# Altium PCB Copy of Board_EP1C6T144I8N.PcbDoc (part 1 of 3) (continued)
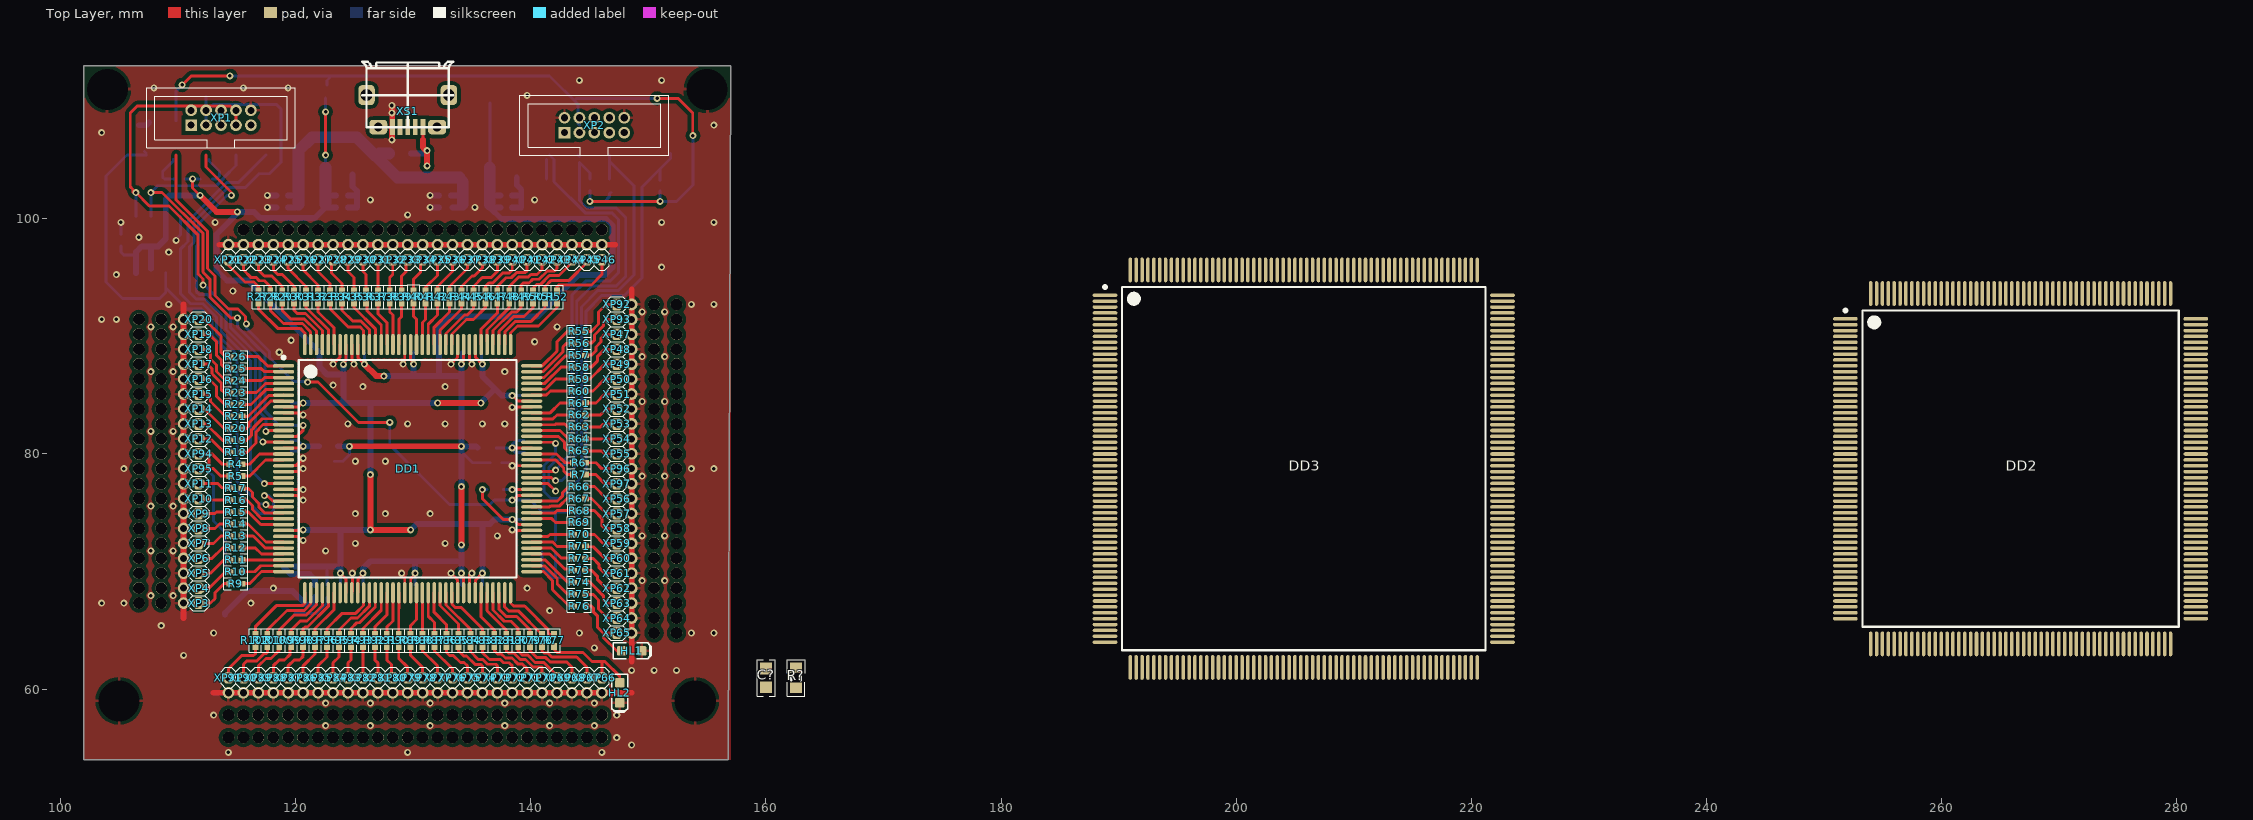
[diagram p0: Top Layer view]
## Footprints (in the part's own frame and the unit in brackets; to place one, negate y for a bottom-side part, rotate by r counter-clockwise, add the part's x,y. Pads: shape width x height; smd on the part's side, far side on the other; paste and mask are expansions set on the pad) (continued)
  oval 0.3x2.1 smd: 53(-12.75,-14.9) 54(-12.25,-14.9) 55(-11.75,-14.9) 56(-11.25,-14.9) 57(-10.75,-14.9) 58(-10.25,-14.9) 59(-9.75,-14.9) 60(-9.25,-14.9) 61(-8.75,-14.9) 62(-8.25,-14.9) 63(-7.75,-14.9) 64(-7.25,-14.9) 65(-6.75,-14.9) 66(-6.25,-14.9) 67(-5.75,-14.9) 68(-5.25,-14.9) 69(-4.75,-14.9) 70(-4.25,-14.9) 71(-3.75,-14.9) 72(-3.25,-14.9) 73(-2.75,-14.9) 74(-2.25,-14.9) 75(-1.75,-14.9) 76(-1.25,-14.9) 77(-0.75,-14.9) 78(-0.25,-14.9) 79(0.25,-14.9) 80(0.75,-14.9) 81(1.25,-14.9) 82(1.75,-14.9) 83(2.25,-14.9) 84(2.75,-14.9) 85(3.25,-14.9) 86(3.75,-14.9) 87(4.25,-14.9) 88(4.75,-14.9) 89(5.25,-14.9) 90(5.75,-14.9) 91(6.25,-14.9) 92(6.75,-14.9) 93(7.25,-14.9) 94(7.75,-14.9) 95(8.25,-14.9) 96(8.75,-14.9) 97(9.25,-14.9) 98(9.75,-14.9) 99(10.25,-14.9) 100(10.75,-14.9) 101(11.25,-14.9) 102(11.75,-14.9) 103(12.25,-14.9) 104(12.75,-14.9) 157(12.75,14.9) 158(12.25,14.9) 159(11.75,14.9) 160(11.25,14.9) 161(10.75,14.9) 162(10.25,14.9) 163(9.75,14.9) 164(9.25,14.9) 165(8.75,14.9) 166(8.25,14.9) 167(7.75,14.9) 168(7.25,14.9) 169(6.75,14.9) 170(6.25,14.9) 171(5.75,14.9) 172(5.25,14.9) 173(4.75,14.9) 174(4.25,14.9) 175(3.75,14.9) 176(3.25,14.9) 177(2.75,14.9) 178(2.25,14.9) 179(1.75,14.9) 180(1.25,14.9) 181(0.75,14.9) 182(0.25,14.9) 183(-0.25,14.9) 184(-0.75,14.9) 185(-1.25,14.9) 186(-1.75,14.9) 187(-2.25,14.9) 188(-2.75,14.9) 189(-3.25,14.9) 190(-3.75,14.9) 191(-4.25,14.9) 192(-4.75,14.9) 193(-5.25,14.9) 194(-5.75,14.9) 195(-6.25,14.9) 196(-6.75,14.9) 197(-7.25,14.9) 198(-7.75,14.9) 199(-8.25,14.9) 200(-8.75,14.9) 201(-9.25,14.9) 202(-9.75,14.9) 203(-10.25,14.9) 204(-10.75,14.9) 205(-11.25,14.9) 206(-11.75,14.9) 207(-12.25,14.9) 208(-12.75,14.9)
  silkscreen extent -15.02,-13.45 13.45,13.57, body extent -14,-14 14,14, height 4.1
RESC1608(0603)N [mm] "Chip Resistor, Body 1.6x0.8mm, IPC Medium Density"
  rect 0.9x1 smd: 1(-0.85,0) 2(0.85,0)
  silkscreen extent -1.55,-0.76 1.55,0.76, body extent -0.8,-0.4 0.8,0.4, height 0.3
"REZKemet 0402" [mm] "Chip Capacitor, Body 1.0x0.5mm, IPC High Density"
  rect 0.6x0.5 smd: 1(-0.5,0) 2(0.5,0)
  silkscreen extent -1.02,-0.51 1.02,0.51, body extent -0.5,-0.3 0.5,0.3, height 0.2
RQFP240_M [mm] "Shrink QFP, 240-Leads, Body 32x32mm, Pitch 0.5mm, IPC Low Density"
  oval 2.1x0.3 smd: 1(-16.9,14.75) 2(-16.9,14.25) 3(-16.9,13.75) 4(-16.9,13.25) 5(-16.9,12.75) 6(-16.9,12.25) 7(-16.9,11.75) 8(-16.9,11.25) 9(-16.9,10.75) 10(-16.9,10.25) 11(-16.9,9.75) 12(-16.9,9.25) 13(-16.9,8.75) 14(-16.9,8.25) 15(-16.9,7.75) 16(-16.9,7.25) 17(-16.9,6.75) 18(-16.9,6.25) 19(-16.9,5.75) 20(-16.9,5.25) 21(-16.9,4.75) 22(-16.9,4.25) 23(-16.9,3.75) 24(-16.9,3.25) 25(-16.9,2.75) 26(-16.9,2.25) 27(-16.9,1.75) 28(-16.9,1.25) 29(-16.9,0.75) 30(-16.9,0.25) 31(-16.9,-0.25) 32(-16.9,-0.75) 33(-16.9,-1.25) 34(-16.9,-1.75) 35(-16.9,-2.25) 36(-16.9,-2.75) 37(-16.9,-3.25) 38(-16.9,-3.75) 39(-16.9,-4.25) 40(-16.9,-4.75) 41(-16.9,-5.25) 42(-16.9,-5.75) 43(-16.9,-6.25) 44(-16.9,-6.75) 45(-16.9,-7.25) 46(-16.9,-7.75) 47(-16.9,-8.25) 48(-16.9,-8.75) 49(-16.9,-9.25) 50(-16.9,-9.75) 51(-16.9,-10.25) 52(-16.9,-10.75) 53(-16.9,-11.25) 54(-16.9,-11.75) 55(-16.9,-12.25) 56(-16.9,-12.75) 57(-16.9,-13.25) 58(-16.9,-13.75) 59(-16.9,-14.25) 60(-16.9,-14.75) 121(16.9,-14.75) 122(16.9,-14.25) 123(16.9,-13.75) 124(16.9,-13.25) 125(16.9,-12.75) 126(16.9,-12.25) 127(16.9,-11.75) 128(16.9,-11.25) 129(16.9,-10.75) 130(16.9,-10.25) 131(16.9,-9.75) 132(16.9,-9.25) 133(16.9,-8.75) 134(16.9,-8.25) 135(16.9,-7.75) 136(16.9,-7.25) 137(16.9,-6.75) 138(16.9,-6.25) 139(16.9,-5.75) 140(16.9,-5.25) 141(16.9,-4.75) 142(16.9,-4.25) 143(16.9,-3.75) 144(16.9,-3.25) 145(16.9,-2.75) 146(16.9,-2.25) 147(16.9,-1.75) 148(16.9,-1.25) 149(16.9,-0.75) 150(16.9,-0.25) 151(16.9,0.25) 152(16.9,0.75) 153(16.9,1.25) 154(16.9,1.75) 155(16.9,2.25) 156(16.9,2.75) 157(16.9,3.25) 158(16.9,3.75) 159(16.9,4.25) 160(16.9,4.75) 161(16.9,5.25) 162(16.9,5.75) 163(16.9,6.25) 164(16.9,6.75) 165(16.9,7.25) 166(16.9,7.75) 167(16.9,8.25) 168(16.9,8.75) 169(16.9,9.25) 170(16.9,9.75) 171(16.9,10.25) 172(16.9,10.75) 173(16.9,11.25) 174(16.9,11.75) 175(16.9,12.25) 176(16.9,12.75) 177(16.9,13.25) 178(16.9,13.75) 179(16.9,14.25) 180(16.9,14.75)
  oval 0.3x2.1 smd: 61(-14.75,-16.9) 62(-14.25,-16.9) 63(-13.75,-16.9) 64(-13.25,-16.9) 65(-12.75,-16.9) 66(-12.25,-16.9) 67(-11.75,-16.9) 68(-11.25,-16.9) 69(-10.75,-16.9) 70(-10.25,-16.9) 71(-9.75,-16.9) 72(-9.25,-16.9) 73(-8.75,-16.9) 74(-8.25,-16.9) 75(-7.75,-16.9) 76(-7.25,-16.9) 77(-6.75,-16.9) 78(-6.25,-16.9) 79(-5.75,-16.9) 80(-5.25,-16.9) 81(-4.75,-16.9) 82(-4.25,-16.9) 83(-3.75,-16.9) 84(-3.25,-16.9) 85(-2.75,-16.9) 86(-2.25,-16.9) 87(-1.75,-16.9) 88(-1.25,-16.9) 89(-0.75,-16.9) 90(-0.25,-16.9) 91(0.25,-16.9) 92(0.75,-16.9) 93(1.25,-16.9) 94(1.75,-16.9) 95(2.25,-16.9) 96(2.75,-16.9) 97(3.25,-16.9) 98(3.75,-16.9) 99(4.25,-16.9) 100(4.75,-16.9) 101(5.25,-16.9) 102(5.75,-16.9) 103(6.25,-16.9) 104(6.75,-16.9) 105(7.25,-16.9) 106(7.75,-16.9) 107(8.25,-16.9) 108(8.75,-16.9) 109(9.25,-16.9) 110(9.75,-16.9) 111(10.25,-16.9) 112(10.75,-16.9) 113(11.25,-16.9) 114(11.75,-16.9) 115(12.25,-16.9) 116(12.75,-16.9) 117(13.25,-16.9) 118(13.75,-16.9) 119(14.25,-16.9) 120(14.75,-16.9) 181(14.75,16.9) 182(14.25,16.9) 183(13.75,16.9) 184(13.25,16.9) 185(12.75,16.9) 186(12.25,16.9) 187(11.75,16.9) 188(11.25,16.9) 189(10.75,16.9) 190(10.25,16.9) 191(9.75,16.9) 192(9.25,16.9) 193(8.75,16.9) 194(8.25,16.9) 195(7.75,16.9) 196(7.25,16.9) 197(6.75,16.9) 198(6.25,16.9) 199(5.75,16.9) 200(5.25,16.9) 201(4.75,16.9) 202(4.25,16.9) 203(3.75,16.9) 204(3.25,16.9) 205(2.75,16.9) 206(2.25,16.9) 207(1.75,16.9) 208(1.25,16.9) 209(0.75,16.9) 210(0.25,16.9) 211(-0.25,16.9) 212(-0.75,16.9) 213(-1.25,16.9) 214(-1.75,16.9) 215(-2.25,16.9) 216(-2.75,16.9) 217(-3.25,16.9) 218(-3.75,16.9) 219(-4.25,16.9) 220(-4.75,16.9) 221(-5.25,16.9) 222(-5.75,16.9) 223(-6.25,16.9) 224(-6.75,16.9) 225(-7.25,16.9) 226(-7.75,16.9) 227(-8.25,16.9) 228(-8.75,16.9) 229(-9.25,16.9) 230(-9.75,16.9) 231(-10.25,16.9) 232(-10.75,16.9) 233(-11.25,16.9) 234(-11.75,16.9) 235(-12.25,16.9) 236(-12.75,16.9) 237(-13.25,16.9) 238(-13.75,16.9) 239(-14.25,16.9) 240(-14.75,16.9)
  silkscreen extent -17.02,-15.45 15.45,15.57, body extent -16,-16 16,16, height 4.1
SG-8002JF [mm] "SOJ 4pin 7.1x5.1x1.5 mm"
  rect 1.8x2 smd: 1(0,0)
  rrect50% 1.8x2 smd: 2(5,0) 3(5,4) 4(0,4)
  silkscreen extent -1,-0.5 6,4.5, body extent -1.25,-0.5 5.75,4.5, height 1.6
SO8_N [mm] "SOIC, 8-Leads, Body 4.9x3.9mm, Pitch 1.27mm, IPC Medium Density"
  oval 2.2x0.6 smd: 1(-2.4,1.905) 2(-2.4,0.635) 3(-2.4,-0.635) 4(-2.4,-1.905) 5(2.4,-1.905) 6(2.4,-0.635) 7(2.4,0.635) 8(2.4,1.905)
  silkscreen extent -2.52,-2.5 0.9,2.88, body extent -2,-2.5 2,2.5, height 1.75
SOD80 [mm]
  rect 1.25x2 smd: 1(-1.651,0) 2(1.651,0)
  silkscreen extent -2.54,-1.27 2.54,1.27, body extent -1.84,-0.8 1.86,0.8, height 1.61
SOT223_M [mm] "SOT223, 4-Leads, Body 6.5x3.5mm, Pitch 2.3mm, Lead Span 7mm, IPC Low Density"
  rect 2.7x1 smd: 1(-2.95,2.3) 2(-2.95,0) 3(-2.95,-2.3)
  rect 2.7x3.3 smd: 4(2.95,0)
  silkscreen extent -3.07,-3.35 1.3,3.48, body extent -1.85,-3.35 1.85,3.35, height 1.7
TQFP144_N [mm] "Thin QFP, 144-Leads, Body 20x20mm, Pitch 0.5mm, IPC Medium Density"
  oval 1.8x0.3 smd: 1(-10.55,8.75) 2(-10.55,8.25) 3(-10.55,7.75) 4(-10.55,7.25) 5(-10.55,6.75) 6(-10.55,6.25) 7(-10.55,5.75) 8(-10.55,5.25) 9(-10.55,4.75) 10(-10.55,4.25) 11(-10.55,3.75) 12(-10.55,3.25) 13(-10.55,2.75) 14(-10.55,2.25) 15(-10.55,1.75) 16(-10.55,1.25) 17(-10.55,0.75) 18(-10.55,0.25) 19(-10.55,-0.25) 20(-10.55,-0.75) 21(-10.55,-1.25) 22(-10.55,-1.75) 23(-10.55,-2.25) 24(-10.55,-2.75) 25(-10.55,-3.25) 26(-10.55,-3.75) 27(-10.55,-4.25) 28(-10.55,-4.75) 29(-10.55,-5.25) 30(-10.55,-5.75) 31(-10.55,-6.25) 32(-10.55,-6.75) 33(-10.55,-7.25) 34(-10.55,-7.75) 35(-10.55,-8.25) 36(-10.55,-8.75) 73(10.55,-8.75) 74(10.55,-8.25) 75(10.55,-7.75) 76(10.55,-7.25) 77(10.55,-6.75) 78(10.55,-6.25) 79(10.55,-5.75) 80(10.55,-5.25) 81(10.55,-4.75) 82(10.55,-4.25) 83(10.55,-3.75) 84(10.55,-3.25) 85(10.55,-2.75) 86(10.55,-2.25) 87(10.55,-1.75) 88(10.55,-1.25) 89(10.55,-0.75) 90(10.55,-0.25) 91(10.55,0.25) 92(10.55,0.75) 93(10.55,1.25) 94(10.55,1.75) 95(10.55,2.25) 96(10.55,2.75) 97(10.55,3.25) 98(10.55,3.75) 99(10.55,4.25) 100(10.55,4.75) 101(10.55,5.25) 102(10.55,5.75) 103(10.55,6.25) 104(10.55,6.75) 105(10.55,7.25) 106(10.55,7.75) 107(10.55,8.25) 108(10.55,8.75)
  oval 0.3x1.8 smd: 37(-8.75,-10.55) 38(-8.25,-10.55) 39(-7.75,-10.55) 40(-7.25,-10.55) 41(-6.75,-10.55) 42(-6.25,-10.55) 43(-5.75,-10.55) 44(-5.25,-10.55) 45(-4.75,-10.55) 46(-4.25,-10.55) 47(-3.75,-10.55) 48(-3.25,-10.55) 49(-2.75,-10.55) 50(-2.25,-10.55) 51(-1.75,-10.55) 52(-1.25,-10.55) 53(-0.75,-10.55) 54(-0.25,-10.55) 55(0.25,-10.55) 56(0.75,-10.55) 57(1.25,-10.55) 58(1.75,-10.55) 59(2.25,-10.55) 60(2.75,-10.55) 61(3.25,-10.55) 62(3.75,-10.55) 63(4.25,-10.55) 64(4.75,-10.55) 65(5.25,-10.55) 66(5.75,-10.55) 67(6.25,-10.55) 68(6.75,-10.55) 69(7.25,-10.55) 70(7.75,-10.55) 71(8.25,-10.55) 72(8.75,-10.55) 109(8.75,10.55) 110(8.25,10.55) 111(7.75,10.55) 112(7.25,10.55) 113(6.75,10.55) 114(6.25,10.55) 115(5.75,10.55) 116(5.25,10.55) 117(4.75,10.55) 118(4.25,10.55) 119(3.75,10.55) 120(3.25,10.55) 121(2.75,10.55) 122(2.25,10.55) 123(1.75,10.55) 124(1.25,10.55) 125(0.75,10.55) 126(0.25,10.55) 127(-0.25,10.55) 128(-0.75,10.55) 129(-1.25,10.55) 130(-1.75,10.55) 131(-2.25,10.55) 132(-2.75,10.55) 133(-3.25,10.55) 134(-3.75,10.55) 135(-4.25,10.55) 136(-4.75,10.55) 137(-5.25,10.55) 138(-5.75,10.55) 139(-6.25,10.55) 140(-6.75,10.55) 141(-7.25,10.55) 142(-7.75,10.55) 143(-8.25,10.55) 144(-8.75,10.55)
  silkscreen extent -10.67,-9.25 9.25,9.57, body extent -10,-10 10,10, height 1.6

## Part data
C1 C2 C3 C4 C5 C6 C7 C8 C9 C10 C11 C12 C13 C14 C15 C16 C17 C18 C19 C20 C21 C22 C25 C26 C29 C30 C31: library part CAPC1005(0402)N, Digi-Key Part Number=?, HelpURL=?, Manufacturer Part Number=?, Note=?, Package=?, Part Number=CAPC1005(0402)N, Price$=?
C23 C24 C27 C28: library part CapTantA, Part Number=CapTantA
C?: library part CAPC1608(0603), "?", Digi-Key Part Number=?, HelpURL=?, Manufacturer Part Number=?, Note=?, Package=?, Part Number=CAPC1608(0603), Price$=?
DD2: Supplier Part Number 1=544-1001-ND, Code_JEDEC=MS-029-FA-1, ComponentLink1Description="Manufacturer Link", ComponentLink1URL=http://www.altera.com/products/devices/acex/acx-index.html, ComponentLink2Description=Datasheet, ComponentLink2URL=http://www.altera.com/literature/ds/acex.pdf, DatasheetVersion="ver3.4, May-2003", LatestRevisionDate=13-Apr-2006, LatestRevisionNote="IPC-7351 Footprint Added.", PackageDescription="208-Pin Plastic Quad Flat Pack (PQFP208) - Wire Bond", PackageReference=PQFP208, PackageVersion="ver15.4, Dec-2008", Part Number=EP1K100QC208-2, Published=17-Jul-2002, Publisher="Altium Limited", Supplier 1=Digi-Key
DD3: Supplier Part Number 1=544-2238-ND, Code_JEDEC=MS-029-GA, ComponentLink1Description="Manufacturer Link", ComponentLink1URL=http://www.altera.com/products/devices/flex10k/f10-index.html, ComponentLink2Description=Datasheet, ComponentLink2URL=http://www.altera.com/literature/ds/dsf10k.pdf, DatasheetVersion="ver4.2, Jan-2003", LatestRevisionDate=13-Apr-2006, LatestRevisionNote="IPC-7351 Footprint Added.", PackageDescription="240-Pin Power Quad Flat Pack (RQFP240)", PackageReference=RQFP240, PackageVersion="ver14.2, Oct-2005", Part Number=EPF10K50RC240-3, Published=24-Nov-2000, Publisher="Altium Limited", Supplier 1=Digi-Key
DS1: "IC CONFIG DEVICE 1MBIT 8SOIC", Supplier Part Number 1=544-1241-5-ND, Code_IPC=SOIC127P600-8, Code_JEDEC=MS-012-AA, ComponentLink1Description="Manufacturer Link", ComponentLink1URL=http://www.altera.com/products/devices/config/cfg-index.html, ComponentLink2Description="Configuration Handbook", ComponentLink2URL=http://www.altera.com/literature/hb/cfg/config_handbook.pdf, ComponentLink3Description="Pinout Specification", ComponentLink3URL=http://www.altera.com/literature/hb/cfg/cyc_c51014.pdf, ComponentLink4Description="Packaging Specification", ComponentLink4URL=http://www.altera.com/literature/ds/dspkg.pdf, Configures="Cyclone II, Stratix II, & Cyclone Devices", DatasheetVersion="ver2.0, Oct-2003", HelpURL=https://www.altera.com/en_US/pdfs/literature/hb/cfg/cyc_c51014.pdf, LatestRevisionDate=13-Apr-2006, LatestRevisionNote="IPC-7351 Footprint Added.", PackageDescription="8-Pin Small Outline Integrated Circuit Package (SOIC8)", PackageReference=SOIC8, PackageVersion="ver14.2, Oct-2005", Part Number=EPCS1SI8N, Price$=4.02, Published=17-Sep-2003, Publisher="Altium Limited", Supplier 1=Digi-Key
HL1: library part LED-0603-BLUE, "LED BLUE DIFFUSED 0603 SMD", Digi-Key Part Number=732-12013-1-ND, Manufacturer Part Number=150060BS55040, Package=0603, HelpURL=https://www.digikey.com/products/en?keywords=732-12013-1-ND, Note=?, Part Number=LED-0603-BLUE, Price$=?
HL2: library part LED-0603-GREEN, "LED GREEN DIFFUSED 0603 SMD", Digi-Key Part Number=732-12017-1-ND, Manufacturer Part Number=150060VS55040, Package=?, HelpURL=https://www.digikey.com/products/en?keywords=732-12017-1-ND, Note=?, Part Number=LED-0603-GREEN, Price$=?
Q1: library part SG-8002JF, Part Number=SG-8002JF
R1 R2 R3 R4 R5 R6 R7 R8 R9 R10 R11 R12 R13 R14 R15 R16 R17 R18 R19 R20 R21 R22 R23 R24 R25 R26 R27 R28 R29 R30 R31 R32 R33 R34 R35 R36 R37 R38 R39 R40 R41 R42 R43 R44 R45 R46 R47 R48 R49 R50 R51 R52 R54 R55 R56 R57 R58 R59 R60 R61 R62 R63 R64 R65 R66 R67 R68 R69 R70 R71 R72 R73 R74 R75 R76 R77 R78 R79 R80 R81 R82 R83 R84 R85 R86 R87 R88 R89 R90 R91 R92 R93 R94 R95 R96 R97 R98 R99 R100 R101 R102 R103 R104 R105 R107: library part RESC1005(0402), Digi-Key Part Number=???, HelpURL=???, Manufacturer Part Number=???, Note=???, Package=???, Part Number=RESC1005(0402), Price$=???
R53: library part RESC1005(0402), "Resistor", Digi-Key Part Number=???, HelpURL=???, Manufacturer Part Number=???, Note=???, Package=???, Part Number=RESC1005(0402), Price$=???
R?: library part RESC1608(0603), Digi-Key Part Number=???, HelpURL=???, Manufacturer Part Number=???, Note=???, Package=???, Part Number=RESC1608(0603), Price$=???
VD1: "Small Signal Diode", Manufacturer Part Number=?, Code_JEDEC=DO-204-AH, ComponentLink1Description="Manufacturer Link", ComponentLink1URL=http://www.fairchildsemi.com/, ComponentLink2Description=Datasheet, ComponentLink2URL=http://www.fairchildsemi.com/ds/1N%2F1N4148.pdf, DatasheetVersion=1997, HelpURL=https://www.fairchildsemi.com/datasheets/LL/LL4148.pdf, LatestRevisionDate=17-Jul-2002, LatestRevisionNote="Re-released for DXP Platform.", Note=?, Package=?, PackageDescription="Diode, Axial; Body 3.8 x 1.9 mm (LxDia. max), Lead Dia. 0.53 mm (max)", PackageReference=DO-35, Part Number=LL4148, Price$=?, Published=8-Jun-2000, Publisher="Altium Limited"
XP1 XP2: library part 3220-10-0100-00, Digi-Key Part Number=1175-1627-ND, HelpURL=https://www.digikey.com/product-detail/en/cnc-tech/3220-10-0100-00/1175-1627-ND/3883661, Part Number=3220-10-0100-00
XS1: Digi-Key Part Number=???, HelpURL=https://www.digikey.com/product-detail/en/amphenol-icc-fci/10118194-0001LF/609-4618-1-ND/2785382, Manufacturer Part Number=???, Note=???, Package=???, Part Number="MICRO_USB _B", Price$=???
ZL1 ZL2 ZL3: "ferite bead", Digi-Key Part Number=???, Manufacturer Part Number=???, Note=???, Package=???, Part Number=Ferite1608(0603), Price$=???
DA1 DA2: HelpURL=http://www.mouser.com/ds/2/389/CD00000544-310772.pdf, Part Number=LD1117S33T
DD1: Code_JEDEC=MS-026-BFB, ComponentLink1Description="Manufacturer Link", ComponentLink1URL=http://www.altera.com/products/devices/cyclone/cyc-index.jsp, ComponentLink2Description=Handbook, ComponentLink2URL=http://www.altera.com/literature/hb/cyc/cyc_c5v1.pdf, ComponentLink3Description="Packaging Specification", ComponentLink3URL=http://www.altera.com/literature/ds/dspkg.pdf, DatasheetVersion="ver2.4, May-2008", LatestRevisionDate=13-Apr-2006, LatestRevisionNote="Pin 2 name fix, IPC-7351 Footprint Added.", PackageDescription="144-Pin Plastic Thin Quad Flat Pack (TQFP144) - Wire Bond", PackageReference=TQFP144, PackageVersion="ver15.4, Dec-2008", Part Number=EP1C6T144I8N, Published=18-Aug-2005, Publisher="Altium Limited"
XP3 XP4 XP5 XP6 XP7 XP8 XP9 XP10 XP11 XP12 XP13 XP14 XP15 XP16 XP17 XP18 XP19 XP20 XP21 XP22 XP23 XP24 XP25 XP26 XP27 XP28 XP29 XP30 XP31 XP32 XP33 XP34 XP35 XP36 XP37 XP38 XP39 XP40 XP41 XP42 XP43 XP44 XP45 XP46 XP47 XP48 XP49 XP50 XP51 XP52 XP53 XP54 XP55 XP56 XP57 XP58 XP59 XP60 XP61 XP62 XP63 XP64 XP65 XP66 XP67 XP68 XP69 XP70 XP71 XP72 XP73 XP74 XP75 XP76 XP77 XP78 XP79 XP80 XP81 XP82 XP83 XP84 XP85 XP86 XP87 XP88 XP89 XP90 XP91: Part Number=P50-B1(DIP)
XP92 XP93 XP94 XP95 XP96 XP97: Part Number=PLLS1.27-1

## Free pads (board coordinates)
  round 3 hole 3.5: 0(104,111) 0(105,59) 0(154,59) 0(155,111)
  round 1 hole 1 unplated: 0(106.68,67.31) 0(106.68,68.58) 0(106.68,69.85) 0(106.68,71.12) 0(106.68,72.39) 0(106.68,73.66) 0(106.68,74.93) 0(106.68,76.2) 0(106.68,77.47) 0(106.68,78.74) 0(106.68,80.01) 0(106.68,81.28) 0(106.68,82.55) 0(106.68,83.82) 0(106.68,85.09) 0(106.68,86.36) 0(106.68,87.63) 0(106.68,88.9) 0(106.68,90.17) 0(106.68,91.44) 0(108.585,67.31) 0(108.585,68.58) 0(108.585,69.85) 0(108.585,71.12) 0(108.585,72.39) 0(108.585,73.66) 0(108.585,74.93) 0(108.585,76.2) 0(108.585,77.47) 0(108.585,78.74) 0(108.585,80.01) 0(108.585,81.28) 0(108.585,82.55) 0(108.585,83.82) 0(108.585,85.09) 0(108.585,86.36) 0(108.585,87.63) 0(108.585,88.9) 0(108.585,90.17) 0(108.585,91.44) 0(114.3,55.88) 0(114.3,57.785) 0(115.57,55.88) 0(115.57,57.785) 0(115.57,99.06) 0(116.84,55.88) 0(116.84,57.785) 0(116.84,99.06) 0(118.11,55.88) 0(118.11,57.785) 0(118.11,99.06) 0(119.38,55.88) 0(119.38,57.785) 0(119.38,99.06) 0(120.65,55.88) 0(120.65,57.785) 0(120.65,99.06) 0(121.92,55.88) 0(121.92,57.785) 0(121.92,99.06) 0(123.19,55.88) 0(123.19,57.785) 0(123.19,99.06) 0(124.46,55.88) 0(124.46,57.785) 0(124.46,99.06) 0(125.73,55.88) 0(125.73,57.785) 0(125.73,99.06) 0(127,55.88) 0(127,57.785) 0(127,99.06) 0(128.27,55.88) 0(128.27,57.785) 0(128.27,99.06) 0(129.54,55.88) 0(129.54,57.785) 0(129.54,99.06) 0(130.81,55.88) 0(130.81,57.785) 0(130.81,99.06) 0(132.08,55.88) 0(132.08,57.785) 0(132.08,99.06) 0(133.35,55.88) 0(133.35,57.785) 0(133.35,99.06) 0(134.62,55.88) 0(134.62,57.785) 0(134.62,99.06) 0(135.89,55.88) 0(135.89,57.785) 0(135.89,99.06) 0(137.16,55.88) 0(137.16,57.785) 0(137.16,99.06) 0(138.43,55.88) 0(138.43,57.785) 0(138.43,99.06) 0(139.7,55.88) 0(139.7,57.785) 0(139.7,99.06) 0(140.97,55.88) 0(140.97,57.785) 0(140.97,99.06) 0(142.24,55.88) 0(142.24,57.785) 0(142.24,99.06) 0(143.51,55.88) 0(143.51,57.785) 0(143.51,99.06) 0(144.78,55.88) 0(144.78,57.785) 0(144.78,99.06) 0(146.05,55.88) 0(146.05,57.785) 0(146.05,99.06) 0(150.495,64.77) 0(150.495,66.04) 0(150.495,67.31) 0(150.495,68.58) 0(150.495,69.85) 0(150.495,71.12) 0(150.495,72.39) 0(150.495,73.66) 0(150.495,74.93) 0(150.495,76.2) 0(150.495,77.47) 0(150.495,78.74) 0(150.495,80.01) 0(150.495,81.28) 0(150.495,82.55) 0(150.495,83.82) 0(150.495,85.09) 0(150.495,86.36) 0(150.495,87.63) 0(150.495,88.9) 0(150.495,90.17) 0(150.495,91.44) 0(150.495,92.71) 0(152.4,64.77) 0(152.4,66.04) 0(152.4,67.31) 0(152.4,68.58) 0(152.4,69.85) 0(152.4,71.12) 0(152.4,72.39) 0(152.4,73.66) 0(152.4,74.93) 0(152.4,76.2) 0(152.4,77.47) 0(152.4,78.74) 0(152.4,80.01) 0(152.4,81.28) 0(152.4,82.55) 0(152.4,83.82) 0(152.4,85.09) 0(152.4,86.36) 0(152.4,87.63) 0(152.4,88.9) 0(152.4,90.17) 0(152.4,91.44) 0(152.4,92.71)
  round 1 hole 0.6: 0(110.49,67.31) 0(110.49,68.58) 0(110.49,69.85) 0(110.49,69.85) 0(110.49,71.12) 0(110.49,72.39) 0(110.49,73.66) 0(110.49,74.93) 0(110.49,74.93) 0(110.49,76.2) 0(110.49,77.47) 0(110.49,78.74) 0(110.49,80.01) 0(110.49,80.01) 0(110.49,81.28) 0(110.49,82.55) 0(110.49,83.82) 0(110.49,85.09) 0(110.49,85.09) 0(110.49,86.36) 0(110.49,87.63) 0(110.49,88.9) 0(110.49,90.17) 0(110.49,90.17) 0(110.49,91.44) 0(114.3,59.69) 0(114.3,97.79) 0(115.57,59.69) 0(115.57,97.79) 0(115.57,97.79) 0(116.84,59.69) 0(116.84,59.69) 0(116.84,97.79) 0(118.11,59.69) 0(118.11,97.79) 0(119.38,59.69) 0(119.38,97.79) 0(120.65,59.69) 0(120.65,97.79) 0(120.65,97.79) 0(121.92,59.69) 0(121.92,59.69) 0(121.92,97.79) 0(123.19,59.69) 0(123.19,97.79) 0(124.46,59.69) 0(124.46,97.79) 0(125.73,59.69) 0(125.73,97.79) 0(125.73,97.79) 0(127,59.69) 0(127,59.69) 0(127,97.79) 0(128.27,59.69) 0(128.27,97.79) 0(129.54,59.69) 0(129.54,97.79) 0(130.81,59.69) 0(130.81,97.79) 0(130.81,97.79) 0(132.08,59.69) 0(132.08,59.69) 0(132.08,97.79) 0(133.35,59.69) 0(133.35,97.79) 0(134.62,59.69) 0(134.62,97.79) 0(135.89,59.69) 0(135.89,97.79) 0(135.89,97.79) 0(137.16,59.69) 0(137.16,59.69) 0(137.16,97.79) 0(138.43,59.69) 0(138.43,97.79) 0(139.7,59.69) 0(139.7,97.79) 0(139.7,97.79) 0(140.97,59.69) 0(140.97,97.79) 0(142.24,59.69) 0(142.24,59.69) 0(142.24,97.79) 0(143.51,59.69) 0(143.51,97.79) 0(143.51,97.79) 0(144.78,59.69) 0(144.78,97.79) 0(146.05,59.69) 0(146.05,97.79) 0(148.59,64.77) 0(148.59,66.04) 0(148.59,67.31) 0(148.59,68.58) 0(148.59,68.58) 0(148.59,69.85) 0(148.59,71.12) 0(148.59,72.39) 0(148.59,73.66) 0(148.59,73.66) 0(148.59,74.93) 0(148.59,76.2) 0(148.59,77.47) 0(148.59,78.74) 0(148.59,78.74) 0(148.59,80.01) 0(148.59,81.28) 0(148.59,82.55) 0(148.59,83.82) 0(148.59,83.82) 0(148.59,85.09) 0(148.59,86.36) 0(148.59,87.63) 0(148.59,88.9) 0(148.59,88.9) 0(148.59,90.17) 0(148.59,91.44) 0(148.59,92.71)

## Via types
v1: diameter 0.6, hole 0.3, Top Layer to Bottom Layer, tented both sides, 196 vias

## Nets (pads, with @x,y where several pads share a name; then routed paths per layer and width w, separated by ;. In a path a pad name is that pad's centre, name@x,y a point inside that pad or via, vN(x,y) a via of type N, cw(c..) or ccw(c..) an arc to the next point about the centre after c; other vN are vias at no path point)
+1v5: C6.1 C7.1 C8.1 C10.1 C12.1 C14.1 C16.1 C20.1 C28.1 C30.2 DA2.2 DA2.4 DD1.46 DD1.55 DD1.64 DD1.117 DD1.126 DD1.135 ZL1.1 ZL2.1 | length 117.8
  Top Layer w0.25: DD1.46@125.29,68.19 125.3,68.2 125.3,69.326 125.73,69.756 v1(125.73,69.85) ; DD1.135@125.29,89.29 125.3,89.28 125.3,88.187 v1(125.857,87.63) ; DD1.55@129.79,68.19 129.8,68.2 129.8,69.38 130.175,69.755 v1(130.175,69.85) ; DD1.126@129.79,89.29 129.79,87.983 130.048,87.725 v1(130.048,87.63) ; v1(134.112,69.85) 134.112,69.755 134.29,69.577 DD1.64@134.29,68.19 ; v1(134.112,87.63) 134.112,87.725 134.29,87.903 DD1.117@134.29,89.29
  Top Layer w0.5: v1(124.587,80.645) v1(134.112,80.645) ; v1(125.857,87.63) 126.854,86.633 127.489,86.633 v1(127.508,86.614) ; v1(134.112,72.263) v1(134.112,77.216)
  Bottom Layer w0.25: C7.1@123.309,79.375 124.036,79.375 124.587,79.926 v1(124.587,80.645) ; v1@125.603,69.85 125.73,69.723 C20.1@125.73,68.818 ; v1(125.857,87.63) C10.1@125.857,88.654 ; v1(130.048,87.63) C12.1@130.048,88.654 ; C6.1@130.175,68.826 v1(130.175,69.85) ; C16.1@134.112,68.826 v1@134.112,69.723 ; v1(134.112,80.645) 134.282,80.01 135.044,79.248 C8.1@136.533,79.248 ; v1(134.112,87.63) C14.1@134.112,88.654 ; DA2.2@136.525,104.365 DA2.4@136.525,109.855
  Bottom Layer w0.5: ZL1.1@123.609,80.645 v1(124.587,80.645) ; v1(125.73,69.85) 125.73,70.231 126.365,70.866 130.175,70.866 ; v1(127.508,86.614) 130.048,86.614 ; v1(130.048,87.63) 130.048,86.614 ; v1(130.175,69.85) 130.175,70.866 ; v1(134.112,69.85) 134.112,70.866 ; v1(134.112,72.263) 134.112,70.866 ; v1(134.112,77.216) v1(134.112,80.645) ; v1(134.112,87.63) 134.112,86.614 ; ZL2.1@135.471,80.518 135.363,80.626 134.131,80.626 v1(134.112,80.645) ; 136.525,101.219 136.525,100.965 ; 136.779,101.981 C30.2@137.422,101.981 ; C28.1@137.422,100.965 136.525,100.965 ; 130.048,86.614 132.207,86.614 ; 130.175,70.866 134.112,70.866 ; 132.207,86.614 132.207,90.678 133.223,91.694 140.589,91.694 144.105,95.21 146.306,95.21 146.95,95.854 146.95,99.433 146.41,99.973 137.517,99.973 136.525,100.965 ; 132.207,86.614 134.112,86.614 ; v1(134.112,80.645) 134.112,86.614
  Bottom Layer w1: 136.525,101.219 DA2.2@136.525,104.365
+3V3: C1.2 C2.1 C3.2 C4.1 C5.1 C9.1 C11.1 C13.1 C15.1 C19.1 C27.1 C29.2 DA1.2 DA1.4 DD1.8 DD1.29 DD1.44 DD1.66 DD1.81 DD1.102 DD1.115 DD1.137 DD2.5 DD2.21 DD2.22 DD2.33 DD2.34 DD2.42 DD2.48 DD2.66 DD2.72 DD2.77 DD2.84 DD2.91 DD2.98 DD2.106 DD2.110 DD2.118 DD2.124 DD2.130 DD2.138 DD2.146 DD2.152 DD2.165 DD2.178 DD2.185 DD2.194 DD2.201 DD3.5 DD3.16 DD3.27 DD3.37 DD3.47 DD3.57 DD3.77 DD3.89 DD3.96 DD3.112 DD3.122 DD3.130 DD3.140 DD3.150 DD3.160 DD3.170 DD3.189 DD3.205 DD3.224 DS1.3 DS1.7 DS1.8 Q1.4 R1.1 R2.2 R3.2 R53.2 R103.2 R104.2 R105.2 XP1.4 XP2.4 | length 230.3
  Top Layer w0.25: v1(110.363,111.379) 111.125,112.141 v1(114.427,112.141) ; v1@111.125,103.251 v1@111.252,103.124 ; v1(111.252,103.378) v1@111.252,103.124 ; v1(111.887,101.981) 111.252,102.616 v1@111.252,103.124 ; DD1.29@118.99,73.49 119,73.5 120.617,73.5 v1(120.65,73.533) ; DD1.8@118.99,83.99 119,84 120.227,84 120.555,84.328 v1(120.65,84.328) ; v1(122.555,105.41) v1(122.555,109.093) v1@122.682,109.093 ; v1(123.825,69.85) 123.825,69.806 124.28,69.351 124.28,68.2 DD1.44@124.29,68.19 ; v1(124.079,87.614) 124.079,87.725 124.29,87.936 DD1.137@124.29,89.29 ; DD1.66@135.29,68.19 135.3,68.2 135.3,69.26 v1(135.89,69.85) ; DD1.115@135.29,89.29 135.3,89.28 135.3,88.22 v1(135.89,87.63) ; v1(135.89,76.962) 135.89,76.2 137.668,74.422 v1(138.43,74.422) 138.525,74.422 138.947,74 140.08,74 DD1.81@140.09,73.99 ; v1(138.43,84.963) 138.458,84.963 138.921,84.5 140.08,84.5 DD1.102@140.09,84.49 ; v1@145.034,101.6 145.161,101.473 v1(151.003,101.473) ; v1(150.749,110.236) 152.527,110.236 153.782,108.981 153.782,107.076 v1(153.797,107.061)
  Top Layer w0.5: v1(111.887,101.981) 113.284,100.584 v1(115.062,100.584) ; v1(126.365,78.232) v1(126.365,73.533) v1(129.794,73.533) ; v1(132.08,84.328) v1(135.763,84.328)
  Bottom Layer w0.25: C3.2@105.156,97.671 105.156,97.155 105.41,96.901 106.299,96.901 106.426,96.774 ; 109.855,108.331 109.855,110.871 v1(110.363,111.379) ; R2.2@110.609,103.378 110.617,103.378 v1(111.252,103.378) R3.2@111.76,103.378 ; v1(114.427,112.141) 123.063,112.141 ; 116.967,100.076 117.027,100.136 ; C2.1@119.626,73.533 v1@120.523,73.533 ; C4.1@119.634,84.328 v1(120.65,84.328) ; DA1.2@122.555,104.365 v1(122.555,105.41) ; v1(122.555,109.093) DA1.4@122.555,110.265 ; R1.1@122.682,68.826 122.682,70.358 ; DA1.4@122.682,111.379 122.682,111.76 123.063,112.141 ; C9.1@123.825,68.961 v1(123.825,69.85) ; v1(124.079,87.614) 124.079,87.709 124.333,87.963 C19.1@124.333,88.654 ; v1@135.763,70.104 135.89,69.977 C5.1@135.89,68.826 ; C13.1@135.763,88.654 135.826,88.591 135.826,87.694 v1(135.89,87.63) ; v1(135.89,76.962) R53.2@136.279,76.962 ; v1(138.43,74.422) C11.1@139.454,74.422 ; v1(138.43,84.963) C15.1@139.446,84.963 ; 143.764,110.109 143.891,110.236 v1(150.749,110.236) ; 144.145,107.95 144.018,108.077 144.018,109.728 141.605,112.141 123.063,112.141 ; R105.2@145.034,102.378 v1(145.034,101.473) 146.285,101.473 146.685,101.873 146.685,102.108 R104.2@146.812,102.235 ; R103.2@151.003,102.37 v1(151.003,101.473) 152.4,101.473 153.797,102.87 v1(153.797,107.061)
  Bottom Layer w0.5: DS1.8@106.426,95.39 106.445,95.409 106.445,97.161 106.934,97.65 107.823,97.65 ; DS1.7@107.696,95.745 107.696,97.523 107.823,97.65 ; v1@111.887,101.968 109.259,101.968 108.966,101.675 DS1.3@108.966,100.19 108.966,98.285 108.331,97.65 107.823,97.65 ; Q1.4@118.999,70.358 119.586,69.771 121.198,69.771 121.666,69.303 C1.2@121.666,68.826 ; 119.935,70.421 123.762,70.421 123.825,70.358 ; v1(120.65,73.533) 123.698,73.533 ; v1(120.65,84.328) 124.079,84.328 ; 122.555,101.219 122.555,100.968 121.663,100.076 116.967,100.076 116.459,100.584 v1(115.062,100.584) 115.062,100.457 113.284,98.679 113.284,95.631 114.173,94.742 115.951,94.742 122.034,88.659 122.034,87.415 122.708,86.741 124.079,86.741 ; 122.682,100.965 C27.1@123.452,100.965 ; 123.063,101.981 C29.2@123.452,101.981 ; v1(123.825,69.85) 123.825,70.358 ; v1(124.079,87.614) 124.079,86.741 ; v1(126.365,73.533) 123.698,73.533 ; v1(126.365,78.232) 126.365,84.328 ; v1(129.794,73.533) 130.302,74.041 135.89,74.041 ; v1(132.08,84.328) 126.365,84.328 ; v1(135.763,84.328) 136.969,85.534 ; v1(135.89,69.85) 135.89,74.041 ; v1(135.89,87.63) 135.89,86.614 136.969,85.534 ; v1(138.43,74.422) 136.906,74.422 136.525,74.041 135.89,74.041 ; v1(138.43,84.963) 137.541,84.963 136.969,85.534 ; 123.698,73.533 123.825,73.406 123.825,70.358 ; 124.079,84.328 124.079,86.741 ; 124.079,84.328 126.365,84.328
  Bottom Layer w1: 122.555,101.219 DA1.2@122.555,104.365
CLK43: DD1.16 R4.2 | length 4.8
  Top Layer w0.25: R4.2@115.435,79.121 116.078,79.121 116.947,79.99 118.725,79.99 DD1.16@118.745,80.01 ; 117.896,79.98 118.98,79.98 DD1.16@118.99,79.99